# KiCad board TX75v2 PCB replacement.kicad_pcb (continued)
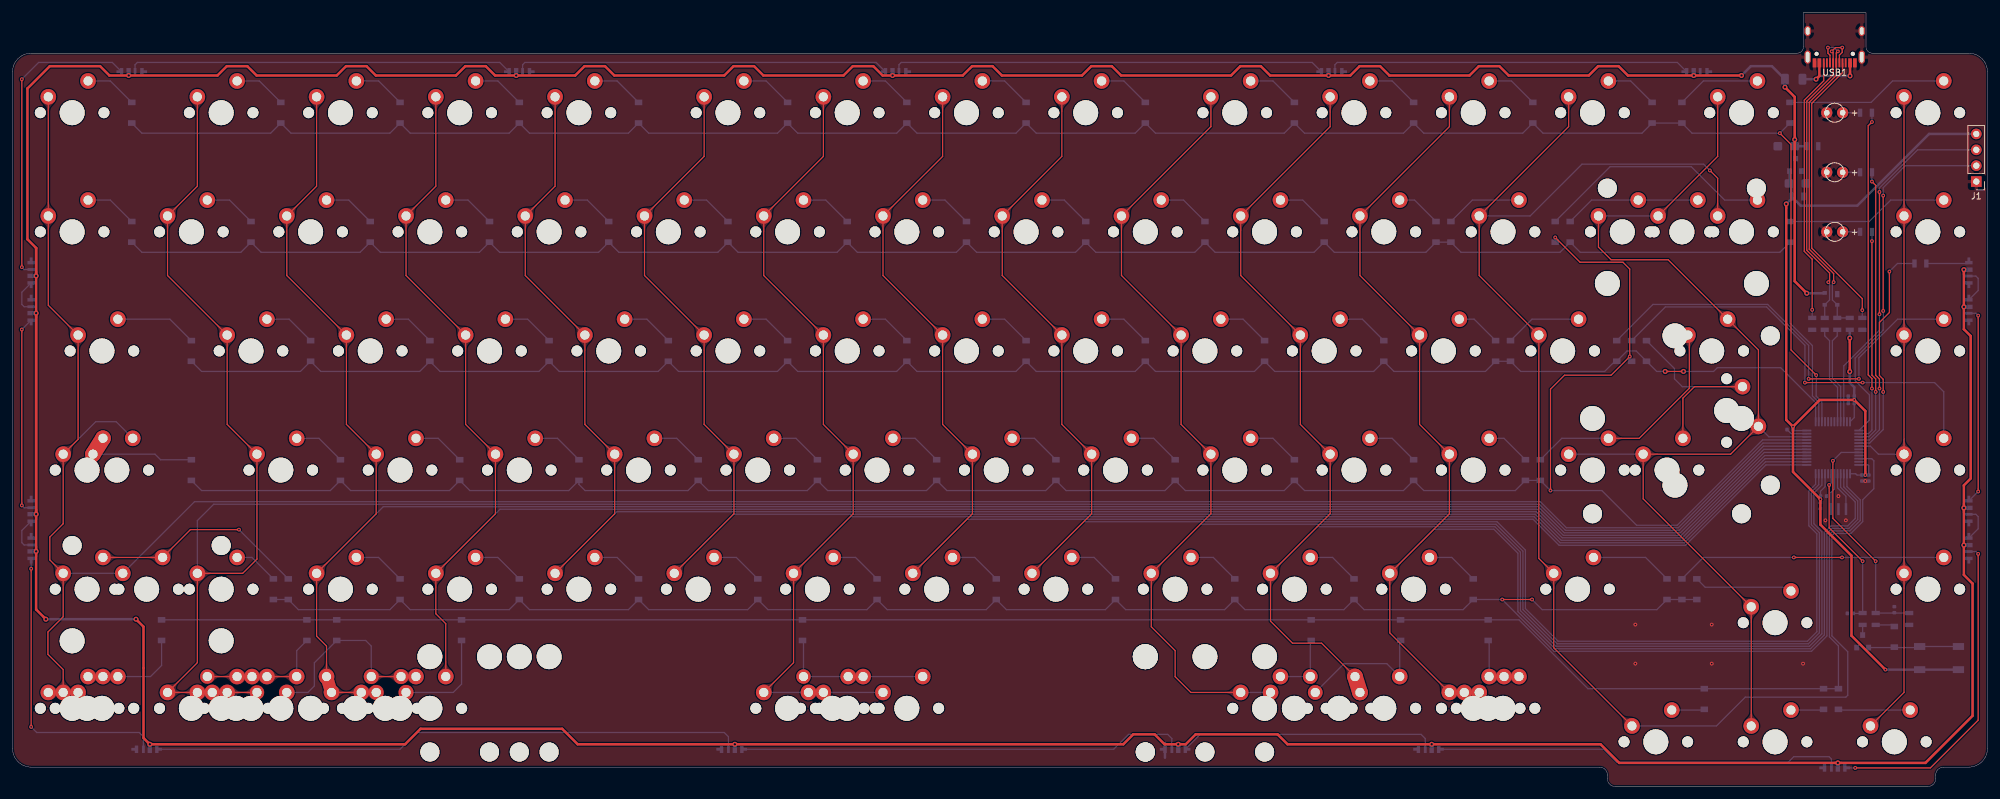
[diagram p0: board, top side]
## Copper pours and planes (outline as drawn; the poured copper is in the pictures) (continued)
C2 on Top: 43.91,88.75 43.92,88.86 43.92,88.96 43.93,89.05 43.95,89.14 43.96,89.22 43.98,89.29 44,89.36 44.03,89.43 44.06,89.49 44.09,89.55 44.12,89.6 44.15,89.66 44.19,89.71 44.23,89.76 44.58,90.15 44.62,90.2 44.67,90.26 44.72,90.32 44.76,90.39 44.81,90.46 44.85,90.53 44.9,90.61 44.94,90.7 43.81,91.87 42.69,90.7 42.73,90.61 42.78,90.53 42.82,90.46 42.87,90.39 42.91,90.32 42.96,90.26 43.01,90.2 43.05,90.15 43.4,89.76 43.44,89.71 43.48,89.66 43.51,89.6 43.54,89.55 43.57,89.49 43.6,89.43 43.63,89.36 43.65,89.29 43.67,89.22 43.68,89.14 43.7,89.05 43.71,88.96 43.71,88.86 43.71,88.75
C2 on Top: 51.51,73.88 51.58,73.81 51.65,73.73 51.71,73.66 51.76,73.59 51.8,73.52 51.84,73.45 51.88,73.39 51.91,73.32 51.93,73.26 51.95,73.2 51.97,73.14 51.98,73.07 51.99,73.01 52,72.95 52.03,72.43 52.03,72.35 52.04,72.28 52.05,72.2 52.07,72.13 52.08,72.04 52.1,71.96 52.13,71.87 52.16,71.78 53.78,71.75 53.75,73.37 53.66,73.4 53.57,73.43 53.49,73.45 53.41,73.46 53.33,73.48 53.25,73.49 53.18,73.5 53.11,73.5 52.58,73.53 52.52,73.54 52.46,73.55 52.4,73.56 52.33,73.58 52.27,73.6 52.21,73.62 52.14,73.65 52.08,73.69 52.01,73.73 51.94,73.77 51.87,73.82 51.8,73.88 51.73,73.95 51.65,74.02
C2 on Top: 48.68,107.8 48.68,107.91 48.69,108.01 48.69,108.1 48.71,108.19 48.72,108.27 48.74,108.34 48.77,108.41 48.79,108.48 48.82,108.54 48.85,108.6 48.88,108.65 48.92,108.71 48.95,108.76 48.99,108.81 49.34,109.2 49.39,109.25 49.43,109.31 49.48,109.37 49.52,109.44 49.57,109.51 49.62,109.58 49.66,109.66 49.7,109.75 48.58,110.92 47.45,109.75 47.5,109.66 47.54,109.58 47.58,109.51 47.63,109.44 47.68,109.37 47.72,109.31 47.77,109.25 47.82,109.2 48.16,108.81 48.2,108.76 48.24,108.71 48.27,108.65 48.31,108.6 48.34,108.54 48.36,108.48 48.39,108.41 48.41,108.34 48.43,108.27 48.45,108.19 48.46,108.1 48.47,108.01 48.48,107.91 48.48,107.8
C2 on Top: 45.5,93.07 45.43,93 45.35,92.93 45.28,92.87 45.21,92.82 45.14,92.78 45.08,92.74 45.01,92.7 44.95,92.67 44.88,92.65 44.82,92.63 44.76,92.61 44.7,92.6 44.63,92.59 44.57,92.58 44.05,92.55 43.98,92.55 43.9,92.54 43.83,92.53 43.75,92.51 43.67,92.5 43.58,92.48 43.5,92.45 43.4,92.42 43.37,90.8 45,90.83 45.03,90.92 45.05,91.01 45.07,91.09 45.09,91.18 45.1,91.25 45.11,91.33 45.12,91.4 45.13,91.48 45.16,92 45.16,92.06 45.17,92.12 45.19,92.19 45.2,92.25 45.22,92.31 45.25,92.37 45.28,92.44 45.31,92.5 45.35,92.57 45.4,92.64 45.45,92.71 45.51,92.78 45.57,92.86 45.65,92.93
C2 on Bottom: 50.27,35.92 50.19,35.85 50.12,35.78 50.04,35.72 49.97,35.67 49.91,35.63 49.84,35.59 49.77,35.55 49.71,35.52 49.65,35.5 49.58,35.48 49.52,35.46 49.46,35.45 49.4,35.44 49.34,35.43 48.81,35.4 48.74,35.4 48.67,35.39 48.59,35.38 48.51,35.36 48.43,35.35 48.35,35.33 48.26,35.3 48.17,35.27 48.14,33.65 49.76,33.68 49.79,33.77 49.81,33.86 49.83,33.94 49.85,34.03 49.86,34.1 49.87,34.18 49.88,34.25 49.89,34.33 49.92,34.85 49.93,34.91 49.94,34.97 49.95,35.04 49.97,35.1 49.99,35.16 50.01,35.22 50.04,35.29 50.07,35.35 50.11,35.42 50.16,35.49 50.21,35.56 50.27,35.63 50.34,35.71 50.41,35.78
C3 on Top: 69.12,20.07 69.11,19.96 69.11,19.87 69.1,19.77 69.09,19.69 69.07,19.61 69.05,19.53 69.03,19.46 69,19.39 68.97,19.33 68.94,19.27 68.91,19.22 68.88,19.17 68.84,19.11 68.8,19.07 68.45,18.67 68.41,18.62 68.36,18.56 68.31,18.5 68.27,18.43 68.22,18.37 68.18,18.29 68.13,18.21 68.09,18.13 69.22,16.96 70.34,18.13 70.3,18.21 70.25,18.29 70.21,18.37 70.16,18.43 70.12,18.5 70.07,18.56 70.02,18.62 69.98,18.67 69.63,19.07 69.59,19.11 69.55,19.17 69.52,19.22 69.49,19.27 69.46,19.33 69.43,19.39 69.4,19.46 69.38,19.53 69.36,19.61 69.35,19.69 69.33,19.77 69.32,19.87 69.32,19.96 69.32,20.07
C3 on Top: 67.73,31.6 67.73,31.71 67.74,31.81 67.74,31.9 67.76,31.99 67.77,32.07 67.79,32.14 67.82,32.21 67.84,32.28 67.87,32.34 67.9,32.4 67.93,32.45 67.97,32.51 68,32.56 68.04,32.61 68.39,33 68.44,33.05 68.48,33.11 68.53,33.17 68.57,33.24 68.62,33.31 68.67,33.38 68.71,33.46 68.75,33.55 67.63,34.72 66.5,33.55 66.55,33.46 66.59,33.38 66.63,33.31 66.68,33.24 66.73,33.17 66.77,33.11 66.82,33.05 66.87,33 67.21,32.61 67.25,32.56 67.29,32.51 67.32,32.45 67.36,32.4 67.39,32.34 67.41,32.28 67.44,32.21 67.46,32.14 67.48,32.07 67.5,31.99 67.51,31.9 67.52,31.81 67.53,31.71 67.53,31.6
C3 on Top: 77.25,50.65 77.25,50.76 77.26,50.86 77.27,50.95 77.28,51.04 77.3,51.12 77.32,51.19 77.34,51.26 77.37,51.33 77.39,51.39 77.42,51.45 77.46,51.5 77.49,51.56 77.53,51.61 77.57,51.66 77.91,52.05 77.96,52.1 78.01,52.16 78.05,52.22 78.1,52.29 78.15,52.36 78.19,52.43 78.23,52.51 78.28,52.6 77.15,53.77 76.03,52.6 76.07,52.51 76.11,52.43 76.16,52.36 76.21,52.29 76.25,52.22 76.3,52.16 76.34,52.1 76.39,52.05 76.74,51.66 76.78,51.61 76.81,51.56 76.85,51.5 76.88,51.45 76.91,51.39 76.94,51.33 76.96,51.26 76.99,51.19 77.01,51.12 77.02,51.04 77.04,50.95 77.04,50.86 77.05,50.76 77.05,50.65
C3 on Top: 69.32,35.92 69.24,35.85 69.17,35.78 69.09,35.72 69.02,35.67 68.96,35.63 68.89,35.59 68.82,35.55 68.76,35.52 68.7,35.5 68.63,35.48 68.57,35.46 68.51,35.45 68.45,35.44 68.39,35.43 67.86,35.4 67.79,35.4 67.72,35.39 67.64,35.38 67.56,35.36 67.48,35.35 67.4,35.33 67.31,35.3 67.22,35.27 67.19,33.65 68.81,33.68 68.84,33.77 68.86,33.86 68.88,33.94 68.9,34.03 68.91,34.1 68.92,34.18 68.93,34.25 68.94,34.33 68.97,34.85 68.98,34.91 68.99,34.97 69,35.04 69.02,35.1 69.04,35.16 69.06,35.22 69.09,35.29 69.12,35.35 69.16,35.42 69.21,35.49 69.26,35.56 69.32,35.63 69.39,35.71 69.46,35.78
C3 on Top: 72.49,69.7 72.49,69.81 72.5,69.91 72.51,70 72.52,70.09 72.54,70.17 72.56,70.24 72.58,70.31 72.6,70.38 72.63,70.44 72.66,70.5 72.69,70.55 72.73,70.61 72.76,70.66 72.8,70.71 73.15,71.1 73.2,71.15 73.24,71.21 73.29,71.27 73.34,71.34 73.38,71.41 73.43,71.48 73.47,71.56 73.51,71.65 72.39,72.82 71.26,71.65 71.31,71.56 71.35,71.48 71.4,71.41 71.44,71.34 71.49,71.27 71.54,71.21 71.58,71.15 71.63,71.1 71.98,70.71 72.02,70.66 72.05,70.61 72.09,70.55 72.12,70.5 72.15,70.44 72.18,70.38 72.2,70.31 72.22,70.24 72.24,70.17 72.26,70.09 72.27,70 72.28,69.91 72.29,69.81 72.29,69.7
C3 on Top: 75.32,54.83 75.39,54.76 75.46,54.68 75.52,54.61 75.57,54.54 75.62,54.47 75.66,54.4 75.69,54.34 75.72,54.27 75.74,54.21 75.76,54.15 75.78,54.09 75.79,54.02 75.8,53.96 75.81,53.9 75.84,53.38 75.85,53.3 75.86,53.23 75.87,53.15 75.88,53.08 75.9,52.99 75.92,52.91 75.94,52.82 75.97,52.73 77.59,52.7 77.56,54.32 77.47,54.35 77.38,54.38 77.3,54.4 77.22,54.41 77.14,54.43 77.06,54.44 76.99,54.45 76.92,54.45 76.39,54.48 76.33,54.49 76.27,54.5 76.21,54.51 76.15,54.53 76.08,54.55 76.02,54.57 75.96,54.6 75.89,54.64 75.82,54.68 75.76,54.72 75.69,54.77 75.61,54.83 75.54,54.9 75.46,54.97
C3 on Top: 62.96,88.75 62.97,88.86 62.97,88.96 62.98,89.05 63,89.14 63.01,89.22 63.03,89.29 63.05,89.36 63.08,89.43 63.11,89.49 63.14,89.55 63.17,89.6 63.2,89.66 63.24,89.71 63.28,89.76 63.63,90.15 63.67,90.2 63.72,90.26 63.77,90.32 63.81,90.39 63.86,90.46 63.9,90.53 63.95,90.61 63.99,90.7 62.86,91.87 61.74,90.7 61.78,90.61 61.83,90.53 61.87,90.46 61.92,90.39 61.96,90.32 62.01,90.26 62.06,90.2 62.1,90.15 62.45,89.76 62.49,89.71 62.53,89.66 62.56,89.6 62.59,89.55 62.62,89.49 62.65,89.43 62.68,89.36 62.7,89.29 62.72,89.22 62.73,89.14 62.75,89.05 62.76,88.96 62.76,88.86 62.77,88.75
C3 on Top: 70.56,73.88 70.63,73.81 70.7,73.73 70.76,73.66 70.81,73.59 70.85,73.52 70.89,73.45 70.93,73.39 70.96,73.32 70.98,73.26 71,73.2 71.02,73.14 71.03,73.07 71.04,73.01 71.05,72.95 71.08,72.43 71.08,72.35 71.09,72.28 71.1,72.2 71.12,72.13 71.13,72.04 71.15,71.96 71.18,71.87 71.21,71.78 72.83,71.75 72.8,73.37 72.71,73.4 72.62,73.43 72.54,73.45 72.46,73.46 72.38,73.48 72.3,73.49 72.23,73.5 72.16,73.5 71.63,73.53 71.57,73.54 71.51,73.55 71.45,73.56 71.38,73.58 71.32,73.6 71.26,73.62 71.19,73.65 71.13,73.69 71.06,73.73 70.99,73.77 70.92,73.82 70.85,73.88 70.78,73.95 70.7,74.02
C3 on Top: 67.73,107.8 67.73,107.91 67.74,108.01 67.74,108.1 67.76,108.19 67.77,108.27 67.79,108.34 67.82,108.41 67.84,108.48 67.87,108.54 67.9,108.6 67.93,108.65 67.97,108.71 68,108.76 68.04,108.81 68.39,109.2 68.44,109.25 68.48,109.31 68.53,109.37 68.57,109.44 68.62,109.51 68.67,109.58 68.71,109.66 68.75,109.75 67.63,110.92 66.5,109.75 66.55,109.66 66.59,109.58 66.63,109.51 66.68,109.44 66.73,109.37 66.77,109.31 66.82,109.25 66.87,109.2 67.21,108.81 67.25,108.76 67.29,108.71 67.32,108.65 67.36,108.6 67.39,108.54 67.41,108.48 67.44,108.41 67.46,108.34 67.48,108.27 67.5,108.19 67.51,108.1 67.52,108.01 67.53,107.91 67.53,107.8
C3 on Top: 64.55,93.07 64.48,93 64.4,92.93 64.33,92.87 64.26,92.82 64.19,92.78 64.13,92.74 64.06,92.7 64,92.67 63.93,92.65 63.87,92.63 63.81,92.61 63.75,92.6 63.68,92.59 63.62,92.58 63.1,92.55 63.03,92.55 62.95,92.54 62.88,92.53 62.8,92.51 62.72,92.5 62.63,92.48 62.55,92.45 62.45,92.42 62.42,90.8 64.05,90.83 64.08,90.92 64.1,91.01 64.12,91.09 64.14,91.18 64.15,91.25 64.16,91.33 64.17,91.4 64.18,91.48 64.21,92 64.21,92.06 64.22,92.12 64.24,92.19 64.25,92.25 64.27,92.31 64.3,92.37 64.33,92.44 64.36,92.5 64.4,92.57 64.45,92.64 64.5,92.71 64.56,92.78 64.62,92.86 64.7,92.93
C3 on Bottom: 69.32,35.92 69.24,35.85 69.17,35.78 69.09,35.72 69.02,35.67 68.96,35.63 68.89,35.59 68.82,35.55 68.76,35.52 68.7,35.5 68.63,35.48 68.57,35.46 68.51,35.45 68.45,35.44 68.39,35.43 67.86,35.4 67.79,35.4 67.72,35.39 67.64,35.38 67.56,35.36 67.48,35.35 67.4,35.33 67.31,35.3 67.22,35.27 67.19,33.65 68.81,33.68 68.84,33.77 68.86,33.86 68.88,33.94 68.9,34.03 68.91,34.1 68.92,34.18 68.93,34.25 68.94,34.33 68.97,34.85 68.98,34.91 68.99,34.97 69,35.04 69.02,35.1 69.04,35.16 69.06,35.22 69.09,35.29 69.12,35.35 69.16,35.42 69.21,35.49 69.26,35.56 69.32,35.63 69.39,35.71 69.46,35.78
C4 on Top: 96.3,50.65 96.3,50.76 96.31,50.86 96.32,50.95 96.33,51.04 96.35,51.12 96.37,51.19 96.39,51.26 96.42,51.33 96.44,51.39 96.47,51.45 96.51,51.5 96.54,51.56 96.58,51.61 96.62,51.66 96.96,52.05 97.01,52.1 97.06,52.16 97.1,52.22 97.15,52.29 97.2,52.36 97.24,52.43 97.28,52.51 97.33,52.6 96.2,53.77 95.08,52.6 95.12,52.51 95.16,52.43 95.21,52.36 95.26,52.29 95.3,52.22 95.35,52.16 95.39,52.1 95.44,52.05 95.79,51.66 95.83,51.61 95.86,51.56 95.9,51.5 95.93,51.45 95.96,51.39 95.99,51.33 96.01,51.26 96.04,51.19 96.06,51.12 96.07,51.04 96.09,50.95 96.09,50.86 96.1,50.76 96.1,50.65
C4 on Top: 88.37,35.92 88.29,35.85 88.22,35.78 88.14,35.72 88.07,35.67 88.01,35.63 87.94,35.59 87.87,35.55 87.81,35.52 87.75,35.5 87.68,35.48 87.62,35.46 87.56,35.45 87.5,35.44 87.44,35.43 86.91,35.4 86.84,35.4 86.77,35.39 86.69,35.38 86.61,35.36 86.53,35.35 86.45,35.33 86.36,35.3 86.27,35.27 86.24,33.65 87.86,33.68 87.89,33.77 87.91,33.86 87.93,33.94 87.95,34.03 87.96,34.1 87.97,34.18 87.98,34.25 87.99,34.33 88.02,34.85 88.03,34.91 88.04,34.97 88.05,35.04 88.07,35.1 88.09,35.16 88.11,35.22 88.14,35.29 88.17,35.35 88.21,35.42 88.26,35.49 88.31,35.56 88.37,35.63 88.44,35.71 88.51,35.78
C4 on Top: 91.54,69.7 91.54,69.81 91.55,69.91 91.56,70 91.57,70.09 91.59,70.17 91.61,70.24 91.63,70.31 91.65,70.38 91.68,70.44 91.71,70.5 91.74,70.55 91.78,70.61 91.81,70.66 91.85,70.71 92.2,71.1 92.25,71.15 92.29,71.21 92.34,71.27 92.39,71.34 92.43,71.41 92.48,71.48 92.52,71.56 92.56,71.65 91.44,72.82 90.31,71.65 90.36,71.56 90.4,71.48 90.45,71.41 90.49,71.34 90.54,71.27 90.59,71.21 90.63,71.15 90.68,71.1 91.03,70.71 91.07,70.66 91.1,70.61 91.14,70.55 91.17,70.5 91.2,70.44 91.23,70.38 91.25,70.31 91.27,70.24 91.29,70.17 91.31,70.09 91.32,70 91.33,69.91 91.34,69.81 91.34,69.7
C4 on Top: 94.37,54.83 94.44,54.76 94.51,54.68 94.57,54.61 94.62,54.54 94.67,54.47 94.71,54.4 94.74,54.34 94.77,54.27 94.79,54.21 94.81,54.15 94.83,54.09 94.84,54.02 94.85,53.96 94.86,53.9 94.89,53.38 94.9,53.3 94.91,53.23 94.92,53.15 94.93,53.08 94.95,52.99 94.97,52.91 94.99,52.82 95.02,52.73 96.64,52.7 96.61,54.32 96.52,54.35 96.43,54.38 96.35,54.4 96.27,54.41 96.19,54.43 96.11,54.44 96.04,54.45 95.97,54.45 95.44,54.48 95.38,54.49 95.32,54.5 95.26,54.51 95.2,54.53 95.13,54.55 95.07,54.57 95.01,54.6 94.94,54.64 94.87,54.68 94.81,54.72 94.74,54.77 94.66,54.83 94.59,54.9 94.51,54.97
C4 on Top: 82.01,88.75 82.02,88.86 82.02,88.96 82.03,89.05 82.05,89.14 82.06,89.22 82.08,89.29 82.1,89.36 82.13,89.43 82.16,89.49 82.19,89.55 82.22,89.6 82.25,89.66 82.29,89.71 82.33,89.76 82.68,90.15 82.72,90.2 82.77,90.26 82.82,90.32 82.86,90.39 82.91,90.46 82.95,90.53 83,90.61 83.04,90.7 81.91,91.87 80.79,90.7 80.83,90.61 80.88,90.53 80.92,90.46 80.97,90.39 81.01,90.32 81.06,90.26 81.11,90.2 81.15,90.15 81.5,89.76 81.54,89.71 81.58,89.66 81.61,89.6 81.64,89.55 81.67,89.49 81.7,89.43 81.73,89.36 81.75,89.29 81.77,89.22 81.78,89.14 81.8,89.05 81.81,88.96 81.81,88.86 81.81,88.75
C4 on Top: 89.61,73.88 89.68,73.81 89.75,73.73 89.81,73.66 89.86,73.59 89.9,73.52 89.94,73.45 89.98,73.39 90.01,73.32 90.03,73.26 90.05,73.2 90.07,73.14 90.08,73.07 90.09,73.01 90.1,72.95 90.13,72.43 90.13,72.35 90.14,72.28 90.15,72.2 90.17,72.13 90.18,72.04 90.2,71.96 90.23,71.87 90.26,71.78 91.88,71.75 91.85,73.37 91.76,73.4 91.67,73.43 91.59,73.45 91.51,73.46 91.43,73.48 91.35,73.49 91.28,73.5 91.21,73.5 90.68,73.53 90.62,73.54 90.56,73.55 90.5,73.56 90.43,73.58 90.37,73.6 90.31,73.62 90.24,73.65 90.18,73.69 90.11,73.73 90.04,73.77 89.97,73.82 89.9,73.88 89.83,73.95 89.75,74.02
C4 on Top: 86.78,107.8 86.78,107.91 86.79,108.01 86.79,108.1 86.81,108.19 86.82,108.27 86.84,108.34 86.87,108.41 86.89,108.48 86.92,108.54 86.95,108.6 86.98,108.65 87.02,108.71 87.05,108.76 87.09,108.81 87.44,109.2 87.49,109.25 87.53,109.31 87.58,109.37 87.62,109.44 87.67,109.51 87.72,109.58 87.76,109.66 87.8,109.75 86.68,110.92 85.55,109.75 85.6,109.66 85.64,109.58 85.68,109.51 85.73,109.44 85.78,109.37 85.82,109.31 85.87,109.25 85.92,109.2 86.26,108.81 86.3,108.76 86.34,108.71 86.37,108.65 86.41,108.6 86.44,108.54 86.46,108.48 86.49,108.41 86.51,108.34 86.53,108.27 86.55,108.19 86.56,108.1 86.57,108.01 86.58,107.91 86.58,107.8
C4 on Top: 83.6,93.07 83.53,93 83.45,92.93 83.38,92.87 83.31,92.82 83.24,92.78 83.18,92.74 83.11,92.7 83.05,92.67 82.98,92.65 82.92,92.63 82.86,92.61 82.8,92.6 82.73,92.59 82.67,92.58 82.15,92.55 82.08,92.55 82,92.54 81.93,92.53 81.85,92.51 81.77,92.5 81.68,92.48 81.6,92.45 81.5,92.42 81.47,90.8 83.1,90.83 83.13,90.92 83.15,91.01 83.17,91.09 83.19,91.18 83.2,91.25 83.21,91.33 83.22,91.4 83.23,91.48 83.26,92 83.26,92.06 83.27,92.12 83.29,92.19 83.3,92.25 83.32,92.31 83.35,92.37 83.38,92.44 83.41,92.5 83.45,92.57 83.5,92.64 83.55,92.71 83.61,92.78 83.67,92.86 83.75,92.93
C4 on Bottom: 88.37,35.92 88.29,35.85 88.22,35.78 88.14,35.72 88.07,35.67 88.01,35.63 87.94,35.59 87.87,35.55 87.81,35.52 87.75,35.5 87.68,35.48 87.62,35.46 87.56,35.45 87.5,35.44 87.44,35.43 86.91,35.4 86.84,35.4 86.77,35.39 86.69,35.38 86.61,35.36 86.53,35.35 86.45,35.33 86.36,35.3 86.27,35.27 86.24,33.65 87.86,33.68 87.89,33.77 87.91,33.86 87.93,33.94 87.95,34.03 87.96,34.1 87.97,34.18 87.98,34.25 87.99,34.33 88.02,34.85 88.03,34.91 88.04,34.97 88.05,35.04 88.07,35.1 88.09,35.16 88.11,35.22 88.14,35.29 88.17,35.35 88.21,35.42 88.26,35.49 88.31,35.56 88.37,35.63 88.44,35.71 88.51,35.78
C5 on Top: 115.35,50.65 115.35,50.76 115.36,50.86 115.37,50.95 115.38,51.04 115.4,51.12 115.42,51.19 115.44,51.26 115.47,51.33 115.49,51.39 115.52,51.45 115.56,51.5 115.59,51.56 115.63,51.61 115.67,51.66 116.01,52.05 116.06,52.1 116.11,52.16 116.15,52.22 116.2,52.29 116.25,52.36 116.29,52.43 116.33,52.51 116.38,52.6 115.25,53.77 114.13,52.6 114.17,52.51 114.21,52.43 114.26,52.36 114.31,52.29 114.35,52.22 114.4,52.16 114.44,52.1 114.49,52.05 114.84,51.66 114.88,51.61 114.91,51.56 114.95,51.5 114.98,51.45 115.01,51.39 115.04,51.33 115.06,51.26 115.09,51.19 115.11,51.12 115.12,51.04 115.14,50.95 115.14,50.86 115.15,50.76 115.15,50.65
C5 on Top: 107.42,35.92 107.34,35.85 107.27,35.78 107.19,35.72 107.12,35.67 107.06,35.63 106.99,35.59 106.92,35.55 106.86,35.52 106.8,35.5 106.73,35.48 106.67,35.46 106.61,35.45 106.55,35.44 106.49,35.43 105.96,35.4 105.89,35.4 105.82,35.39 105.74,35.38 105.66,35.36 105.58,35.35 105.5,35.33 105.41,35.3 105.32,35.27 105.29,33.65 106.91,33.68 106.94,33.77 106.96,33.86 106.98,33.94 107,34.03 107.01,34.1 107.02,34.18 107.03,34.25 107.04,34.33 107.07,34.85 107.08,34.91 107.09,34.97 107.1,35.04 107.12,35.1 107.14,35.16 107.16,35.22 107.19,35.29 107.22,35.35 107.26,35.42 107.31,35.49 107.36,35.56 107.42,35.63 107.49,35.71 107.56,35.78
C5 on Top: 110.59,69.7 110.59,69.81 110.6,69.91 110.61,70 110.62,70.09 110.64,70.17 110.66,70.24 110.68,70.31 110.7,70.38 110.73,70.44 110.76,70.5 110.79,70.55 110.83,70.61 110.86,70.66 110.9,70.71 111.25,71.1 111.3,71.15 111.34,71.21 111.39,71.27 111.44,71.34 111.48,71.41 111.53,71.48 111.57,71.56 111.62,71.65 110.49,72.82 109.37,71.65 109.41,71.56 109.45,71.48 109.5,71.41 109.54,71.34 109.59,71.27 109.64,71.21 109.68,71.15 109.73,71.1 110.08,70.71 110.12,70.66 110.15,70.61 110.19,70.55 110.22,70.5 110.25,70.44 110.28,70.38 110.3,70.31 110.32,70.24 110.34,70.17 110.36,70.09 110.37,70 110.38,69.91 110.39,69.81 110.39,69.7
C5 on Top: 113.42,54.83 113.49,54.76 113.56,54.68 113.62,54.61 113.67,54.54 113.72,54.47 113.76,54.4 113.79,54.34 113.82,54.27 113.84,54.21 113.86,54.15 113.88,54.09 113.89,54.02 113.9,53.96 113.91,53.9 113.94,53.38 113.95,53.3 113.96,53.23 113.97,53.15 113.98,53.08 114,52.99 114.02,52.91 114.04,52.82 114.07,52.73 115.69,52.7 115.66,54.32 115.57,54.35 115.48,54.38 115.4,54.4 115.32,54.41 115.24,54.43 115.16,54.44 115.09,54.45 115.02,54.45 114.49,54.48 114.43,54.49 114.37,54.5 114.31,54.51 114.25,54.53 114.18,54.55 114.12,54.57 114.06,54.6 113.99,54.64 113.92,54.68 113.86,54.72 113.79,54.77 113.71,54.83 113.64,54.9 113.56,54.97
C5 on Top: 101.06,88.75 101.07,88.86 101.07,88.96 101.08,89.05 101.1,89.14 101.11,89.22 101.13,89.29 101.15,89.36 101.18,89.43 101.21,89.49 101.24,89.55 101.27,89.6 101.3,89.66 101.34,89.71 101.38,89.76 101.73,90.15 101.77,90.2 101.82,90.26 101.87,90.32 101.91,90.39 101.96,90.46 102,90.53 102.05,90.61 102.09,90.7 100.97,91.87 99.84,90.7 99.88,90.61 99.93,90.53 99.97,90.46 100.02,90.39 100.06,90.32 100.11,90.26 100.16,90.2 100.2,90.15 100.55,89.76 100.59,89.71 100.63,89.66 100.66,89.6 100.69,89.55 100.72,89.49 100.75,89.43 100.78,89.36 100.8,89.29 100.82,89.22 100.83,89.14 100.85,89.05 100.86,88.96 100.86,88.86 100.87,88.75
C5 on Top: 108.66,73.88 108.73,73.81 108.8,73.73 108.86,73.66 108.91,73.59 108.95,73.52 108.99,73.45 109.03,73.39 109.06,73.32 109.08,73.26 109.1,73.2 109.12,73.14 109.13,73.07 109.14,73.01 109.15,72.95 109.18,72.43 109.18,72.35 109.19,72.28 109.2,72.2 109.22,72.13 109.23,72.04 109.25,71.96 109.28,71.87 109.31,71.78 110.93,71.75 110.9,73.37 110.81,73.4 110.72,73.43 110.64,73.45 110.56,73.46 110.48,73.48 110.4,73.49 110.33,73.5 110.26,73.5 109.73,73.53 109.67,73.54 109.61,73.55 109.55,73.56 109.48,73.58 109.42,73.6 109.36,73.62 109.29,73.65 109.23,73.69 109.16,73.73 109.09,73.77 109.02,73.82 108.95,73.88 108.88,73.95 108.8,74.02
C5 on Top: 110.59,107.8 110.59,107.91 110.6,108.01 110.61,108.1 110.62,108.19 110.64,108.27 110.66,108.34 110.68,108.41 110.7,108.48 110.73,108.54 110.76,108.6 110.79,108.65 110.83,108.71 110.86,108.76 110.9,108.81 111.25,109.2 111.3,109.25 111.34,109.31 111.39,109.37 111.44,109.44 111.48,109.51 111.53,109.58 111.57,109.66 111.62,109.75 110.49,110.92 109.37,109.75 109.41,109.66 109.45,109.58 109.5,109.51 109.54,109.44 109.59,109.37 109.64,109.31 109.68,109.25 109.73,109.2 110.08,108.81 110.12,108.76 110.15,108.71 110.19,108.65 110.22,108.6 110.25,108.54 110.28,108.48 110.3,108.41 110.32,108.34 110.34,108.27 110.36,108.19 110.37,108.1 110.38,108.01 110.39,107.91 110.39,107.8
C5 on Top: 102.65,93.07 102.58,93 102.5,92.93 102.43,92.87 102.36,92.82 102.29,92.78 102.23,92.74 102.16,92.7 102.1,92.67 102.03,92.65 101.97,92.63 101.91,92.61 101.85,92.6 101.78,92.59 101.72,92.58 101.2,92.55 101.13,92.55 101.05,92.54 100.98,92.53 100.9,92.51 100.82,92.5 100.73,92.48 100.65,92.45 100.55,92.42 100.52,90.8 102.15,90.83 102.18,90.92 102.2,91.01 102.22,91.09 102.24,91.18 102.25,91.25 102.26,91.33 102.27,91.4 102.28,91.48 102.31,92 102.31,92.06 102.32,92.12 102.34,92.19 102.35,92.25 102.37,92.31 102.4,92.37 102.43,92.44 102.46,92.5 102.5,92.57 102.55,92.64 102.6,92.71 102.66,92.78 102.72,92.86 102.8,92.93
C5 on Bottom: 107.42,35.92 107.34,35.85 107.27,35.78 107.19,35.72 107.12,35.67 107.06,35.63 106.99,35.59 106.92,35.55 106.86,35.52 106.8,35.5 106.73,35.48 106.67,35.46 106.61,35.45 106.55,35.44 106.49,35.43 105.96,35.4 105.89,35.4 105.82,35.39 105.74,35.38 105.66,35.36 105.58,35.35 105.5,35.33 105.41,35.3 105.32,35.27 105.29,33.65 106.91,33.68 106.94,33.77 106.96,33.86 106.98,33.94 107,34.03 107.01,34.1 107.02,34.18 107.03,34.25 107.04,34.33 107.07,34.85 107.08,34.91 107.09,34.97 107.1,35.04 107.12,35.1 107.14,35.16 107.16,35.22 107.19,35.29 107.22,35.35 107.26,35.42 107.31,35.49 107.36,35.56 107.42,35.63 107.49,35.71 107.56,35.78
C6 on Top: 127.17,14.84 127.26,14.84 127.35,14.84 127.43,14.83 127.5,14.82 127.57,14.81 127.64,14.79 127.71,14.78 127.77,14.76 127.83,14.74 127.88,14.72 127.93,14.69 127.98,14.67 128.03,14.64 128.08,14.61 128.72,14.09 128.78,14.05 128.84,14 130.16,15.04 128.84,16.08 128.78,16.04 128.72,16 128.08,15.47 128.03,15.44 127.98,15.42 127.93,15.39 127.88,15.37 127.83,15.34 127.77,15.32 127.71,15.3 127.64,15.29 127.57,15.27 127.5,15.26 127.43,15.25 127.35,15.25 127.26,15.24 127.17,15.24
C6 on Top: 129.53,15.24 129.44,15.24 129.35,15.25 129.27,15.25 129.2,15.26 129.12,15.27 129.06,15.29 128.99,15.3 128.93,15.32 128.87,15.34 128.82,15.37 128.77,15.39 128.71,15.42 128.67,15.44 128.62,15.47 127.97,16 127.92,16.04 127.86,16.08 126.53,15.04 127.86,14 127.92,14.05 127.97,14.09 128.62,14.61 128.67,14.64 128.71,14.67 128.77,14.69 128.82,14.72 128.87,14.74 128.93,14.76 128.99,14.78 129.06,14.79 129.12,14.81 129.2,14.82 129.27,14.83 129.35,14.84 129.44,14.84 129.53,14.84
C6 on Top: 124.88,31.6 124.88,31.71 124.89,31.81 124.89,31.9 124.91,31.99 124.92,32.07 124.94,32.14 124.97,32.21 124.99,32.28 125.02,32.34 125.05,32.4 125.08,32.45 125.12,32.51 125.15,32.56 125.19,32.61 125.54,33 125.59,33.05 125.63,33.11 125.68,33.17 125.72,33.24 125.77,33.31 125.82,33.38 125.86,33.46 125.9,33.55 124.78,34.72 123.65,33.55 123.7,33.46 123.74,33.38 123.78,33.31 123.83,33.24 123.88,33.17 123.92,33.11 123.97,33.05 124.02,33 124.36,32.61 124.4,32.56 124.44,32.51 124.47,32.45 124.51,32.4 124.54,32.34 124.56,32.28 124.59,32.21 124.61,32.14 124.63,32.07 124.65,31.99 124.66,31.9 124.67,31.81 124.68,31.71 124.68,31.6
C6 on Top: 121.7,16.87 121.63,16.8 121.55,16.73 121.48,16.67 121.41,16.62 121.34,16.58 121.28,16.54 121.21,16.5 121.15,16.47 121.08,16.45 121.02,16.43 120.96,16.41 120.9,16.4 120.83,16.39 120.77,16.38 120.25,16.35 120.18,16.35 120.1,16.34 120.03,16.33 119.95,16.31 119.87,16.3 119.78,16.28 119.7,16.25 119.6,16.22 119.57,14.6 121.2,14.63 121.23,14.72 121.25,14.81 121.27,14.89 121.29,14.98 121.3,15.05 121.31,15.13 121.32,15.2 121.33,15.28 121.36,15.8 121.36,15.86 121.37,15.92 121.39,15.99 121.4,16.05 121.42,16.11 121.45,16.17 121.48,16.24 121.51,16.3 121.55,16.37 121.6,16.44 121.65,16.51 121.71,16.58 121.77,16.66 121.85,16.73
C6 on Top: 134.4,50.65 134.4,50.76 134.41,50.86 134.42,50.95 134.43,51.04 134.45,51.12 134.47,51.19 134.49,51.26 134.52,51.33 134.54,51.39 134.57,51.45 134.61,51.5 134.64,51.56 134.68,51.61 134.72,51.66 135.06,52.05 135.11,52.1 135.16,52.16 135.2,52.22 135.25,52.29 135.3,52.36 135.34,52.43 135.38,52.51 135.43,52.6 134.3,53.77 133.18,52.6 133.22,52.51 133.26,52.43 133.31,52.36 133.36,52.29 133.4,52.22 133.45,52.16 133.49,52.1 133.54,52.05 133.89,51.66 133.93,51.61 133.96,51.56 134,51.5 134.03,51.45 134.06,51.39 134.09,51.33 134.11,51.26 134.14,51.19 134.16,51.12 134.17,51.04 134.19,50.95 134.19,50.86 134.2,50.76 134.2,50.65
C6 on Top: 126.47,35.92 126.39,35.85 126.32,35.78 126.24,35.72 126.17,35.67 126.11,35.63 126.04,35.59 125.97,35.55 125.91,35.52 125.85,35.5 125.78,35.48 125.72,35.46 125.66,35.45 125.6,35.44 125.54,35.43 125.01,35.4 124.94,35.4 124.87,35.39 124.79,35.38 124.71,35.36 124.63,35.35 124.55,35.33 124.46,35.3 124.37,35.27 124.34,33.65 125.96,33.68 125.99,33.77 126.01,33.86 126.03,33.94 126.05,34.03 126.06,34.1 126.07,34.18 126.08,34.25 126.09,34.33 126.12,34.85 126.13,34.91 126.14,34.97 126.15,35.04 126.17,35.1 126.19,35.16 126.21,35.22 126.24,35.29 126.27,35.35 126.31,35.42 126.36,35.49 126.41,35.56 126.47,35.63 126.54,35.71 126.61,35.78
C6 on Top: 129.64,69.7 129.64,69.81 129.65,69.91 129.66,70 129.67,70.09 129.69,70.17 129.71,70.24 129.73,70.31 129.75,70.38 129.78,70.44 129.81,70.5 129.84,70.55 129.88,70.61 129.91,70.66 129.95,70.71 130.3,71.1 130.35,71.15 130.39,71.21 130.44,71.27 130.49,71.34 130.53,71.41 130.58,71.48 130.62,71.56 130.66,71.65 129.54,72.82 128.41,71.65 128.46,71.56 128.5,71.48 128.55,71.41 128.59,71.34 128.64,71.27 128.69,71.21 128.73,71.15 128.78,71.1 129.13,70.71 129.17,70.66 129.2,70.61 129.24,70.55 129.27,70.5 129.3,70.44 129.33,70.38 129.35,70.31 129.37,70.24 129.39,70.17 129.41,70.09 129.42,70 129.43,69.91 129.44,69.81 129.44,69.7
